# Altium PCB Version_2.PcbDoc (part 1 of 6) (continued)
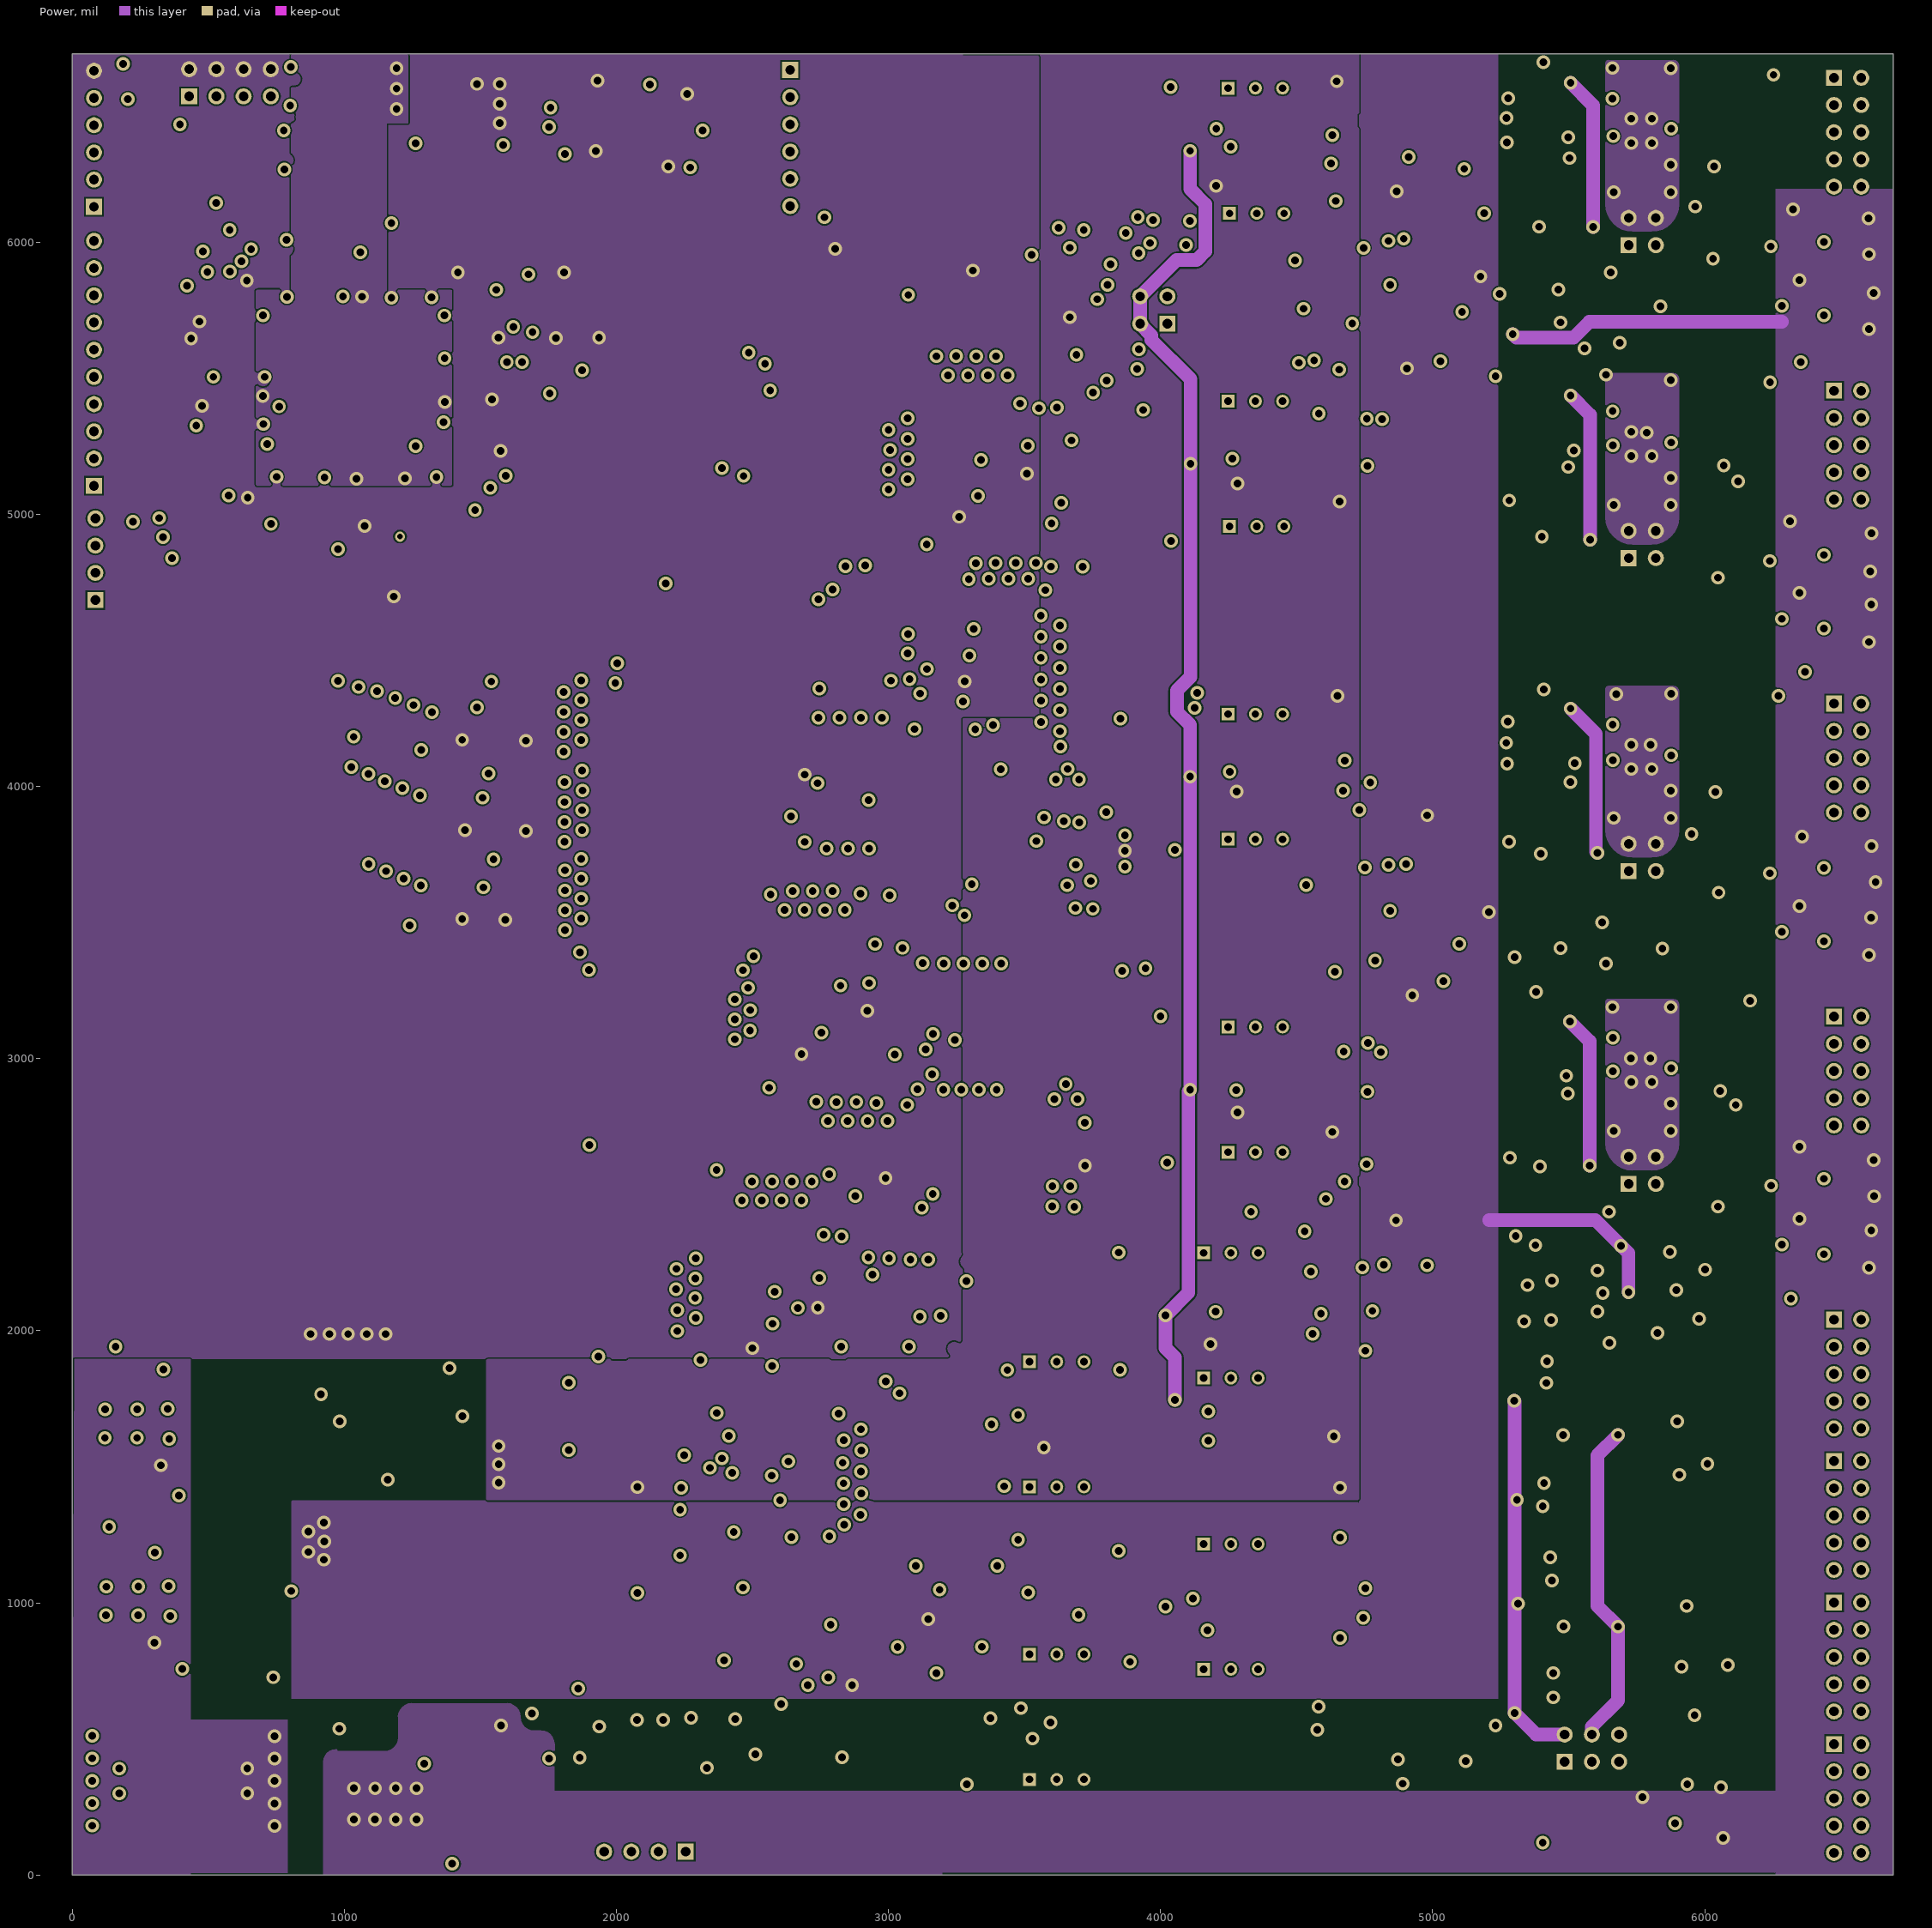
[diagram p3: Power]

## Layer stack, top to bottom
Top Solder: solder mask 0.4, Solder Resist, Dk 3.5
Component Side: signal copper 1.4
Dielectric 1: core 12.6, FR-4, Dk 4.8
Ground Plane: plane copper 1.417
Dielectric 3: prepreg 5, Dk 4.2
Power: signal copper 1.417
Dielectric 4: core 10, Dk 4.2
Solder Side: signal copper 1.4
Bottom Solder: solder mask 0.4, Solder Resist, Dk 3.5

## Board outline
0,0 6692.91,0 6692.91,6692.91 0,6692.91

## Design rules (kind name [scope] priority, off if disabled: settings)
Clearance [All] p1: gap=6
HoleSize [All] p1: absolutevalues=TRUE maxlimit=100 minlimit=9.84 maxpercent=80.000 minpercent=20.000
MinimumSolderMaskSliver [All] p1: minsoldermaskwidth=5
PlaneClearance [All] p1: clearance=20
PlaneConnect [All] p1: planeconnectstyle=Direct reliefexpansion=20 reliefentries=4 reliefconductorwidth=10 reliefairgap=10
PolygonConnect [All] p1: connectstyle=Direct reliefconductorwidth=10 reliefentries=4 polygonreliefangle="90 Angle" airgapwidth=10
RoutingPriority EN9 [InNet('EN9')] p1: routingpriority=100
RoutingPriority EN10 [InNet('EN10')] p2: routingpriority=90
RoutingPriority EN11 [InNet('EN11')] p3: routingpriority=90
RoutingPriority EN12 [InNet('EN12')] p4: routingpriority=90
RoutingPriority EN13 [All] p5: routingpriority=90
RoutingPriority RoutingPriorityAll [All] p6: routingpriority=0
RoutingVias [All] p1: holewidth=28 width=50 viastyle="Through Hole" minholewidth=9.84 minwidth=27.56 maxholewidth=39.37 maxwidth=50
SMDEntry [All] p1: side=TRUE corner=TRUE anyangle=TRUE
SilkToSilkClearance [All] p1 off: silktosilkclearance=10
SilkToSolderMaskClearance [IsPad] p1 off: minsilkscreentomaskgap=0.1 clearancetoexposedcopper=TRUE
SolderMaskExpansion [All] p1: expansion=4
Width Analog_In3 [InNetClass('Analog_In3')] p1 off: maxlimit=50 minlimit=10 preferedwidth=16 minimp=50.000000 maximp=50.000000 favimp=50.000000
Width Analog_In2 [InNetClass('Analog_In2')] p2 off: maxlimit=50 minlimit=10 preferedwidth=14 minimp=50.000000 maximp=50.000000 favimp=50.000000
Width Analog_In1 [InNetClass('Analog_In1')] p3 off: maxlimit=50 minlimit=10 preferedwidth=24 minimp=50.000000 maximp=50.000000 favimp=50.000000
Width Analog_Out [InNetClass('Analog_Out')] p4 off: maxlimit=50 minlimit=10 preferedwidth=50 minimp=50.000000 maximp=50.000000 favimp=50.000000
Width [All] p5: maxlimit=50 minlimit=6 preferedwidth=10 minimp=50.000000 maximp=50.000000 favimp=50.000000
23 further rules are at their usual default settings.

## Classes and differential pairs
net class VOUT[1..8]: VOUT1 VOUT2 VOUT3 VOUT4 VOUT5 VOUT6 VOUT7 VOUT8
net class VO[1..8]: VO1 VO2 VO3 VO4 VO5 VO6 VO7 VO8
net class VN[1..6]: VN1 VN2 VN3 VN4 VN5 VN6
net class SPI_CS[1..6]: SPI_CS1 SPI_CS2 SPI_CS3 SPI_CS4 SPI_CS5 SPI_CS6
net class PSAVE[1..3]: PSAVE1 PSAVE2 PSAVE3
net class OUTP[1..8]: OUTP1 OUTP2 OUTP3 OUTP4 OUTP5 OUTP6 OUTP7 OUTP8
net class OUTM[1..8]: OUTM1 OUTM2 OUTM3 OUTM4 OUTM5 OUTM6 OUTM7 OUTM8
net class OUT[1..8]: OUT1 OUT2 OUT3 OUT4 OUT5 OUT6 OUT7 OUT8 OUT9
net class EN_RESET[1..2]: EN_RESET1 EN_RESET2
net class EN[1..13]: EN1 EN2 EN3 EN4 EN5 EN6 EN7 EN8 EN9 EN10 EN11 EN12 EN13
component class Reset: C147 C148 C149 C150 C151 DPOT4 P23 R170 R175 R180 R367 R441 R442 R443 R444 REG24 RPOT6 TP45 U32
component class Power: C94 C95 C96 C97 C98 C99 C100 C101 C102 C103 C104 C105 C106 C107 C108 C109 C110 C111 C112 C113 C114 C115 C116 C117 C118 C119 C120 C121 C122 C123 C124 C125 C126 C127 C128 C129 C130 C131 C132 C133 C134 C135 C136 C137 CON1 LED5V LED15V LED24V LED-5V POT1 POT2 POT3 POT4 POT5 POT6 R312 R313 R314 R315 R316 R317 R318 R319 R320 R321 R322 R323 R324 R325 R326 R327 R328 R329 R330 R331 R332 R333 R334 R335 R336 R337 R338 R339 R340 R341 R342 R343 R344 R345 R346 R347 R348 REG6 REG7 REG8 REG9 REG10 REG11 REG12 REG13 REG14 REG15 REG16 REG17 REG18 REG19 REG20 REG21 REG22 TP1 TP2 TP3 TP4 TP5 TP6 TP7 TP8 TP9 TP47 TP48 TP50 TP51 TP52
component class Medidas: C138 C139 C140 C141 C142 C143 C144 C145 C146 C169 C170 R349 R350 R351 R352 R353 R354 R355 R356 R357 R358 R359 R360 R361 R362 R363 R364 R365 R366 REG23 TP11 TP13 TP15 TP17 TP19 TP21 TP23 TP25 TP27 TP28 TP29 TP30 TP31 TP32 TP33 TP34 TP35 TP36 TP37 TP38 TP39 TP41 TP42 TP43 TP44 U25 U26 U27 U28 U29 U30 U31
component class FPGA: C64 C65 C66 C67 C68 C69 C70 C71 C72 C73 C74 C75 C76 C77 C78 C79 C80 C81 C82 C83 C84 C85 C86 C87 C88 C89 C90 C91 C92 C93 LED9 LED10 LED11 LED12 LED13 LED14 LED15 LED16 LED17 LED18 LED19 LED20 LED21 LED22 LED23 LED24 LED25 LED26 LED27 LED28 LED29 LED30 LED31 OSC1 P18 P19 P20 P21 P22 R153 R154 R155 R156 R157 R158 R159 R160 R161 R162 R163 R164 R165 R166 R167 R168 R169 R171 R172 R173 R174 R176 R177 R178 R179 R181 R182 R183 R184 R185 R186 R187 R188 R189 R190 R191 R192 R193 R194 R195 R196 R197 R198 R199 R200 R201 R202 R203 R204 R205 R206 R207 R208 R209 R210 R211 R212 R213 R214 R215 R216 R217 R218 R219 R220 R221 R222 R223 R224 R225 R226 R227 R228 R229 R231 R232 R233 R234 R236 R237 R239 R241 R242 R243 R244 R246 R247 R248 R249 R251 R252 R253 R254 R255 R257 R258 R259 R260 R262 R263 R264 R266 R267 R268 R270 R271 R272 R274 R275 R276 R277 R278 R279 R280 R281 R282 R283 R284 R285 R286 R287 R288 R289 R290 R291 R292 R293 R294 R295 R296 R297 R298 R299 R300 R301 R302 R303 R304 R305 R306 R307 R308 R309 R310 R311 R368 U20 U21 U22 U23 U24
component class DAC: C38 C39 C50 C51 C52 C53 C54 C55 C56 C57 C58 C59 C60 C61 C62 C63 C153 C154 C155 C156 C157 C158 C159 C160 C161 C162 C163 C164 C165 C166 C167 C168 P17 R98 R99 R100 R101 R102 R103 R104 R105 R106 R107 R108 R109 R110 R111 R112 R113 R114 R115 R116 R117 R118 R119 R120 R121 R122 R123 R124 R125 R126 R127 R128 R129 R130 R131 R132 R133 R134 R135 R136 R137 R138 R139 R140 R141 R142 R143 R144 R145 R146 R147 R148 R149 R150 R151 R152 R238 R375 R376 R377 R378 R379 R380 R381 R382 R383 R384 R385 R386 R387 R388 R389 R390 R391 R392 R393 R394 R395 R396 R397 R398 R399 R400 R401 R402 R403 R404 R405 R406 R407 R408 R409 R410 R411 R412 R413 R414 R415 R416 R417 R418 R419 R420 R421 R422 R423 R424 R425 R426 R427 R428 R429 R430 R431 R432 R433 R434 R435 R436 R437 R438 R439 R440 U7 U8 U9 U10 U11 U12 U13 U14 U15 U16 U17 U18 U19
component class Amplificadores: C1 C2 C3 C4 C5 C6 C7 C8 C9 C10 C11 C12 C13 C14 C15 C16 C17 C18 C19 C20 C21 C22 C23 C24 C25 C26 C27 C28 C29 C30 C31 C32 C33 C34 C35 C36 C37 C40 C41 C42 C43 C44 C45 C46 C47 C48 C49 C152 D1 D2 D3 D4 D5 D6 D7 D8 DPOT1 DPOT2 DPOT3 LED1 LED2 LED3 LED4 LED5 LED6 LED7 LED8 OPT1 OPT2 OPT3 OPT4 OPT5 OPT6 OPT7 OPT8 P4 P5 P6 P7 P8 P9 P10 P11 P12 P13 P14 P15 P16 R1 R2 R3 R4 R5 R6 R7 R8 R9 R10 R11 R12 R13 R14 R15 R16 R17 R18 R19 R20 R21 R22 R23 R24 R25 R26 R27 R28 R29 R30 R31 R32 R33 R34 R35 R36 R37 R38 R39 R40 R41 R42 R43 R44 R45 R46 R47 R48 R49 R50 R51 R52 R53 R54 R55 R56 R57 R58 R59 R60 R61 R62 R63 R64 R65 R66 R67 R68 R69 R70 R71 R72 R73 R74 R75 R76 R77 R78 R79 R80 R81 R82 R83 R84 R85 R86 R87 R88 R89 R90 R91 R92 R93 R94 R95 R96 R97 R230 R235 R240 R245 R250 R256 R261 R265 R269 R369 R371 R373 REG1 REG2 REG3 REG4 REG5 RPOT1 RPOT2 RPOT3 RPOT4 RPOT5 TP18 TP20 U1 U2 U3 U4 U5 U6 U33
net class Analog_In3: A3V3 OUTM1 OUTM2 OUTM3 OUTM4 OUTM5 OUTM6 OUTM7 OUTM8 OUTP1 OUTP2 OUTP3 OUTP4 OUTP5 OUTP6 OUTP7 OUTP8 VSSIV

## Components (designator, comment, footprint, x,y, rotation, side; value= is the part's Value field where it differs from the comment)
C1 "Cap" RES_0805 4953.74,6234.25 r270 top
C2 "Cap" RES_0805 5032.48,6236.22 r270 top
C3 "Cap" RES_0805 4872.05,6087.6 r0 bottom
C4 "Cap" RES_0805 4802.17,5510.83 r0 top
C5 "Cap" RES_0805 4799.21,5582.68 r0 top
C6 "Cap" RES_0805 4788.39,5419.29 r0 bottom
C7 "Cap" RES_0805 4858.27,3875.98 r0 top
C8 "Cap" RES_0805 4858.27,3953.74 r0 top
C9 "Cap" RES_0805 4867.13,3625 r0 bottom
C10 "Cap" RES_0805 4816.93,3304.13 r0 top
C11 "Cap" RES_0805 4807.09,3214.57 r0 top
C12 "Cap" RES_0805 4785.24,3115.96 r0 bottom
C13 "Cap" RES_0805 4759.84,2451.77 r270 top
C14 "Cap" RES_0805 4684.06,2451.77 r270 top
C15 "Cap" RES_0805 4789.37,2176.18 r0 bottom
C16 "Cap" RES_0805 3790.24,5685.92 r270 top
C17 "Cap" J1-0603#1 3730.24,5673.13 r270 top
C18 "Cap" RES_0805 3800.24,3809.94 r270 top
C19 "Cap" J1-0603#1 3735.24,3797.14 r270 top
C20 "Cap" RES_0805 3790.24,2695.96 r270 top
C21 "Cap" J1-0603#1 3725.24,2675.96 r270 top
C22 "Cap" RES_1206 6112.2,6622.05 r180 top
C23 "Cap" J1-0603#1 5425.24,6584.27 r0 top
C24 "Cap" RES_1206 5763.38,5889.27 r180 top
C25 "Cap" J1-0603#1 5729.92,5819.27 r180 top
C26 "Cap" RES_1206 6155.24,5389.27 r180 top
C27 "Cap" J1-0603#1 5425.24,5434.27 r0 top
C28 "Cap" RES_1206 5763.38,4739.27 r180 top
C29 "Cap" J1-0603#1 5729.92,4669.27 r180 top
C30 "Cap" RES_1206 6155.24,4239.27 r180 top
C31 "Cap" J1-0603#1 5425.24,4284.27 r0 top
C32 "Cap" RES_1206 5763.38,3589.27 r180 top
C33 "Cap" J1-0603#1 5729.92,3519.27 r180 top
C34 "Cap" RES_1206 6155.24,3089.27 r180 top
C35 "Cap" J1-0603#1 5420.28,3134.84 r0 top
C36 "Cap" RES_1206 5763.38,2439.27 r180 top
C37 "Cap" J1-0603#1 5729.92,2369.27 r180 top
C38 "Cap" J1-0603#1 4203.55,6281.28 r90 top
C39 "Cap" J1-0603#1 4205.24,5131.28 r90 top
C40 "Cap" RES_0805 5880.24,455.96 r90 top
C41 "Cap" J1-0603#1 5945.24,430.96 r90 top
C42 "Cap" RES_0805 5876.58,1565.89 r270 top
C43 "Cap" J1-0603#1 5936.58,1561.95 r270 top
C44 "Cap" RES_0805 5345.24,246.87 r90 top
C45 "Cap" J1-0603#1 5415.24,259.66 r90 top
C46 "Cap" RES_0805 5875.24,860.96 r270 top
C47 "Cap" J1-0603#1 5935.24,860.96 r270 top
C48 "Cap" RES_0805 5206.14,200.96 r0 top
C49 "Cap" J1-0603#1 5218.94,140.96 r0 top
C50 "Cap" RES_0805 4038.39,5954.72 r90 top
C51 "Cap Semi" J1-0603#1 3170.24,4950.96 r180 top
C52 "Cap Semi" J1-0603#1 3424.69,5243.91 r180 bottom
C53 "Cap Semi" J1-0603#1 3424.69,5193.91 r180 bottom
C54 "Cap Semi" J1-0603#1 2590.55,3020.67 r180 top
C55 "Cap Semi" J1-0603#1 2839.57,3198.01 r180 bottom
C56 "Cap Semi" J1-0603#1 2839.57,3248.01 r180 bottom
C57 "Cap Semi" J1-0603#1 3571.85,5195.87 r270 bottom
C58 "Cap Semi" J1-0603#1 2990.24,3215.96 r270 bottom
C59 "Cap Semi" J1-0603#1 2819.88,2145.67 r270 bottom
C60 "Cap Semi" J1-0603#1 3070.24,5895.96 r90 top
C61 "Cap Semi" J1-0603#1 2400.24,1890.96 r180 top
C62 "Cap Semi" J1-0603#1 2724.45,1925.96 r180 bottom
C63 "Cap Semi" J1-0603#1 2724.45,1875.96 r180 bottom
C64 "Cap" J1-0603#1 1487.2,4232.28 r0 bottom
C65 "Cap" J1-0603#1 1486.22,3899.61 r0 bottom
C66 "Cap" J1-0603#1 1486.22,3570.87 r0 bottom
C67 "Cap" J1-0603#1 789.37,5884.84 r90 bottom
C68 "Cap" J1-0603#1 1377.95,5820.87 r270 bottom
C69 "Cap" J1-0603#1 1238.19,5768.7 r270 bottom
C70 "Cap" J1-0603#1 1107.28,6019.68 r90 bottom
C71 "Cap" J1-0603#1 556.1,5347.44 r270 bottom
C72 "Cap" J1-0603#1 1389.05,5053.15 r270 bottom
C73 "Cap" J1-0603#1 1682.09,5338.58 r0 bottom
C74 "Cap" J1-0603#1 1340.55,5053.15 r270 bottom
C75 "Cap" J1-0603#1 1682.09,5390.75 r0 bottom
C76 "Cap" J1-0603#1 1138.78,4981.3 r0 bottom
C77 "Cap" J1-0603#1 1125,4862.2 r0 bottom
C78 "Cap" J1-0603#1 619.96,5553.58 r180 bottom
C79 "Cap" J1-0603#1 619.96,5494.53 r180 bottom
C80 "Cap" J1-0603#1 803.15,5303.15 r270 bottom
C81 "Cap Semi" J1-0603#1 1840.2,6389.04 r0 top
C82 "Cap" J1-0603#1 1265.75,5154.53 r90 bottom
C83 "Cap" J1-0603#1 996.06,5154.53 r90 bottom
C84 "Cap" J1-0603#1 1114.17,5771.65 r270 bottom
C85 "Cap" J1-0603#1 1347.44,5460.63 r180 bottom
C86 "Cap" J1-0603#1 1682.09,5286.42 r0 bottom
C87 "Cap" J1-0603#1 1493.11,5628.94 r180 bottom
C88 "Cap" J1-0603#1 1492.13,5695.87 r180 bottom
C89 "Cap" J1-0603#1 1125,4912.4 r0 bottom
C90 "Cap" J1-0603#1 1286.42,5051.18 r270 bottom
C91 "Cap" J1-0603#1 751.97,5047.24 r270 bottom
C92 "Cap" J1-0603#1 1078.45,4709.93 r135 bottom
C93 "Cap" J1-0603#1 950.79,4927.17 r45 top
C94 "Cap" RES_1206 541.34,782.48 r0 top
C95 "Cap" RES_1206 541.34,1394.68 r0 top
C96 "Cap" RES_1206 1262.64,85.96 r0 bottom
C97 "Cap" J1-0603#1 653.54,1028.54 r90 top
C98 "Cap" J1-0603#1 652.56,1680.12 r90 top
C99 "Cap" J1-0603#1 1587.64,305.96 r180 top
C100 "Cap" J1-0603#1 654.53,1129.92 r270 top
C101 "Cap" J1-0603#1 651.57,1780.51 r270 top
C102 "Cap" J1-0603#1 1612.64,430.96 r270 top
C103 "Cap" RES_1206 544.29,1266.73 r180 top
C104 "Cap" J1-0603#1 497.05,1897.64 r180 top
C105 "Cap" J1-0603#1 1459.77,521.95 r90 top
C106 "Cap" J1-0603#1 1509.77,521.95 r90 top
C107 "Cap" RES_0805 987.36,1560.61 r90 top
C108 "Cap" RES_0805 1357.36,1616.32 r90 top
C109 "Cap" RES_0805 1356.38,1766.91 r90 top
C110 "Cap" RES_0805 986.38,1816.91 r270 top
C111 "Cap" J1-0603#1 1491.14,6357.28 r0 top
C112 "Cap" J1-0603#1 1190.94,6398.62 r270 top
C113 "Cap" J1-0603#1 4950.24,365.96 r90 top
C114 "Cap" RES_0805 5205.24,275.96 r180 top
C115 "Cap" J1-0603#1 5030.24,555.96 r0 top
C116 "Cap" RES_0805 6498.55,5865.96 r0 top
C117 "Cap" RES_0805 6498.55,2415.96 r0 top
C118 "Cap" RES_0805 6498.55,3565.96 r0 top
C119 "Cap" RES_0805 6498.55,4715.96 r0 top
C120 "Cap" RES_0805 5980.24,60.96 r0 top
C121 "Cap" RES_0805 4615.24,5625.96 r0 top
C122 "Cap" J1-0603#1 6148.55,5975.96 r0 bottom
C123 "Cap" J1-0603#1 6148.55,4825.96 r0 bottom
C124 "Cap" J1-0603#1 6148.55,3675.96 r0 bottom
C125 "Cap" J1-0603#1 6148.55,2525.96 r0 bottom
C126 "Cap" J1-0603#1 5821.85,333.66 r180 top
C127 "Cap" J1-0603#1 4460.24,5870.96 r180 top
C128 "Cap" RES_0805 6496.62,5595.96 r0 top
C129 "Cap" RES_0805 6496.62,4445.96 r0 top
C130 "Cap" RES_0805 6496.62,3295.96 r0 top
C131 "Cap" RES_0805 6496.62,2145.96 r0 top
C132 "Cap" RES_0805 5800.24,60.96 r0 top
C133 "Cap" RES_0805 4422.24,5618.11 r180 top
C134 "Cap" RES_0805 5950.79,5879.92 r90 top
C135 "Cap" RES_0805 6048.55,4615.96 r90 top
C136 "Cap" RES_0805 6048.55,3465.96 r90 top
C137 "Cap" RES_0805 6048.55,2315.96 r90 top
C138 "Cap" J1-0603#1 2352.36,1610.24 r90 bottom
C139 "Cap" J1-0603#2 3140.24,4505.96 r270 top
C140 "Cap" J1-0603#1 2430.24,1174.98 r90 top
C141 "Cap" J1-0603#1 2610.24,1174.98 r90 top
C142 "Cap" J1-0603#1 5525.24,3500.96 r180 top
C143 "Cap" J1-0603#1 5780.51,2313.98 r0 top
C144 "Cap" J1-0603#1 5787.4,2121.06 r0 top
C145 "Cap" J1-0603#1 3183.07,841.54 r270 top
C146 "Cap" J1-0603#1 5545.24,5800.96 r180 top
C147 "Cap" J1-0603#1 2798.23,650.59 r270 top
C148 "Cap Semi" J1-0603#1 2798.23,550.2 r270 top
C149 "Cap Semi" RES_0805 2512.8,531.5 r270 top
C150 "Cap Semi" J1-0603#1 2575.79,539.37 r270 top
C151 "Cap" J1-0603#1 2339.57,283.46 r90 top
C152 "Cap Semi" J1-0603#1 2662.4,3978.35 r90 top
C153 "Cap" J1-0603#1 4205.24,2830.96 r90 top
C154 "Cap" J1-0603#1 4205.24,3985.96 r90 top
C155 "Cap" J1-0603#1 3470.24,1600.96 r90 top
C156 "Cap" J1-0603#1 4110.24,2000.96 r90 top
C157 "Cap" J1-0603#1 4115.24,930.96 r90 top
C158 "Cap" J1-0603#1 3470.24,530.96 r90 top
C159 "Cap Semi" J1-0603#1 3424.69,5093.91 r180 bottom
C160 "Cap Semi" J1-0603#1 3424.69,5143.91 r180 bottom
C161 "Cap Semi" J1-0603#1 3170.28,5005.91 r180 top
C162 "Cap Semi" J1-0603#1 2591.54,2970.47 r180 top
C163 "Cap Semi" J1-0603#1 2839.57,3098.01 r180 bottom
C164 "Cap Semi" J1-0603#1 2839.57,3148.01 r180 bottom
C165 "Cap Semi" J1-0603#1 2400.24,1940.96 r180 top
C166 "Cap Semi" J1-0603#1 2724.45,1975.96 r180 bottom
C167 "Cap Semi" J1-0603#1 2724.45,2025.96 r180 bottom
C168 "Cap" J1-0603#1 3441.93,5927.17 r90 top
C169 "Cap" J1-0603#1 2500.98,1482.28 r180 bottom
C170 "Cap" J1-0603#1 3221.46,4438.98 r90 bottom
CON1 "Barrel_2.1mmx5.5mm" Barrel_2.1mmx5.5mm 408.23,345.65 r180 top
D1 "SMS3922_SOT143" SMS3922_SOT143 5590.24,6409.27 r270 bottom
D2 "SMS3922_SOT143" SMS3922_SOT143 5590.24,5259.27 r270 bottom
D3 "SMS3922_SOT143" SMS3922_SOT143 5590.24,4109.27 r270 bottom
D4 "SMS3922_SOT143" SMS3922_SOT143 5590.24,2959.27 r270 bottom
D5 "ZM4732A" ZM4732A 5493.55,5955.96 r180 top
D6 "ZM4732A" ZM4732A 5493.55,4805.96 r180 top
D7 "ZM4732A" ZM4732A 5493.55,3655.96 r180 top
D8 "ZM4732A" ZM4732A 5493.55,2505.96 r180 top
DPOT1 "AD5162_SOP10" AD5162_SOP10 3635.24,5745.96 r90 top
DPOT2 "AD5162_SOP10" AD5162_SOP10 3637.01,3869.98 r90 top
DPOT3 "AD5162_SOP10" AD5162_SOP10 3632.01,2694.98 r90 top
DPOT4 "AD5162_SOP10" AD5162_SOP10 2394.53,588.27 r90 top
LED1 "LED" LED 5329.72,3125.98 r90 top
LED2 "LED" LED 5340.24,4274.27 r90 top
LED3 "LED" LED 5340.24,5424.27 r90 top
LED4 "LED" LED 5340.24,6574.27 r90 top
LED5 "LED" LED 5340.24,2744.27 r0 top
LED5V "LEDR" LED 306.1,1936.02 r180 top
LED6 "LED" LED 5340.24,3894.27 r0 top
LED7 "LED" LED 5340.24,5044.27 r0 top
LED8 "LED" LED 5340.24,6194.27 r0 top
LED9 "LED" LED 3158.46,3879.92 r0 top
LED10 "LED" LED 3296.26,3829.72 r0 top
LED11 "LED" LED 3158.46,3782.48 r0 top
LED12 "LED" LED 3292.32,3730.32 r0 top
LED13 "LED" LED 3155.51,4128.94 r0 top
LED14 "LED" LED 3290.35,4077.76 r0 top
LED15 "LED" LED 3155.51,4027.56 r0 top
LED15V "LEDR" LED 277.56,1280.51 r180 top
LED16 "LED" LED 3294.29,3965.55 r0 top
LED17 "LED" LED 4740.24,6320.96 r270 top
LED18 "LED" LED 4945.24,5680.96 r270 top
LED19 "LED" LED 4625.24,3585.96 r90 top
LED20 "LED" LED 4945.87,3401.57 r270 top
LED21 "LED" LED 4470.59,2427.27 r90 top
LED22 "LED" LED 2792.32,830.71 r270 top
LED23 "LED" LED 1751.97,570.87 r90 top
LED24 "LED" LED 3575.79,5452.76 r0 top
LED24V "LEDR" LED 738.23,595.96 r90 top
LED25 "LEDB" LED 259.77,6630.96 r0 top
LED26 "LED" LED 3002.17,3465.96 r0 top
LED27 "LEDB" LED 259.77,6485.96 r0 top
LED28 "LED" LED 2821.85,2405.51 r0 top
LED29 "LEDB" LED 928.31,6500.96 r180 top
LED30 "LEDB" LED 928.31,6645.96 r180 top
LED31 "LEDB" LED 1455.71,5903.54 r0 top
LED-5V "LEDR" LED 1117.64,595.96 r270 top
OPT1 "4N38M_SMD6" 4N38M_SMD6 5020.95,4930.96 r0 top
OPT2 "4N38M_SMD6" 4N38M_SMD6 5020.95,6489.27 r0 top
OPT3 "4N38M_SMD6" 4N38M_SMD6 5020.95,2630.96 r0 top
OPT4 "4N38M_SMD6" 4N38M_SMD6 5020.95,4189.27 r0 top
OPT5 "4N38M_SMD6" 4N38M_SMD6 5050.24,1885.96 r0 top
OPT6 "4N38M_SMD6" 4N38M_SMD6 5050.24,1512.63 r0 top
OPT7 "4N38M_SMD6" 4N38M_SMD6 5050.24,1139.3 r0 top
OPT8 "4N38M_SMD6" 4N38M_SMD6 5050.24,765.96 r0 top
OSC1 "100MHz oscillator" "100MHz oscillator" 1047.94,4698.12 r135 top
P4 "Header 3X2" HDR2X3 5485.24,415.96 r0 top
P5 "Header 2X2" HDR2X2 5720.33,5989.27 r0 top
P6 "Header 2X2" HDR2X2 5720.33,4839.27 r0 top
P7 "Header 2X2" HDR2X2 5720.33,3689.27 r0 top
P8 "Header 2X2" HDR2X2 5720.33,2539.27 r0 top
P9 "Header 5X2" HDR2X5 6475.24,6604.27 r270 top
P10 "Header 5X2" HDR2X5 6475.24,5454.27 r270 top
P11 "Header 5X2" HDR2X5 6475.24,4304.27 r270 top
P12 "Header 5X2" HDR2X5 6475.24,3154.27 r270 top
P13 "Header 5X2" HDR2X5 6475.24,2040.96 r270 top
P14 "Header 5X2" HDR2X5 6475.24,1520.96 r270 top
P15 "Header 5X2" HDR2X5 6475.24,1000.96 r270 top
P16 "Header 5X2" HDR2X5 6475.24,480.96 r270 top
P17 "Header 2X2" HDR2X2 4025.24,5700.96 r90 top
P18 "RESET" HDR1X4 85,4685 r90 top
P19 "CONFIG" HDR2X4 429.77,6535.96 r0 top
P20 "DEBUG" HDR1X10 80,5105 r90 top
P21 "JTAG Port" HDR1X6 80,6130 r90 top
P22 "uC Interface" HDR1X6 2638.78,6632.87 r270 top
P23 "RESET_OUT" HDR1X4 2254.92,85.63 r180 top
POT1 "POT_ST5ETW203" POT_ST5ETW 5585.24,177.1 r180 top
POT2 "POT_ST5ETW203" POT_ST5ETW 4220.24,5740.96 r180 top
POT3 "POT_ST5ETW503" POT_ST5ETW 6143.55,5970.96 r180 top
POT4 "POT_ST5ETW503" POT_ST5ETW 6143.55,4820.96 r180 top
POT5 "POT_ST5ETW503" POT_ST5ETW 6143.55,3670.96 r180 top
POT6 "POT_ST5ETW503" POT_ST5ETW 6143.55,2520.96 r180 top
R1 "Res3" J1-0603#1 5485.24,3079.27 r180 top
R2 "Res3" J1-0603#1 5485.24,4229.27 r180 top
R3 "Res3" J1-0603#1 5485.24,5379.27 r180 top
R4 "Res3" J1-0603#1 5485.24,6529.27 r180 top
R5 "Res3" J1-0603#1 5412.4,2834.65 r180 top
R6 "Res3" J1-0603#1 5420.24,3984.27 r180 top
R7 "Res3" J1-0603#1 5420.24,5134.27 r180 top
R8 "Res3" J1-0603#1 5420.24,6284.27 r180 top
R9 "Res3" J1-0603#1 5323.55,6060.96 r270 top
R10 "Res3" J1-0603#1 5240.24,5400.96 r270 top
R11 "Res3" J1-0603#1 5330.71,3755.91 r270 top
R12 "Res3" J1-0603#1 5240.24,3095.96 r270 top
R13 "Res3" J1-0603#1 5245.24,2295.96 r270 top
R14 "Res3" RES_1206 5591.58,1877.43 r180 top
R15 "Res3" RES_1206 5591.58,1787.43 r180 top
R16 "Res3" RES_1206 5796.58,1707.43 r90 top
R17 "Res3" RES_0805 5716.58,1889.79 r270 top
R18 "Res3" RES_1206 5841.58,1912.43 r0 top
R19 "Res3" RES_0805 5821.58,1832.43 r0 top
R20 "Res3" RES_1206 5591.58,1167.43 r180 top
R21 "Res3" RES_1206 5591.58,1082.43 r180 top
R22 "Res3" RES_1206 5796.58,1002.43 r90 top
R23 "Res3" RES_0805 5716.58,1177.43 r270 top
R24 "Res3" RES_1206 5841.58,1207.43 r0 top
R25 "Res3" RES_0805 5821.58,1127.43 r0 top
R26 "Res3" RES_1206 5576.58,1447.43 r180 top
R27 "Res3" RES_1206 5576.58,1362.43 r180 top
R28 "Res3" RES_1206 5796.58,1532.43 r270 top
R29 "Res3" RES_0805 5716.58,1350.06 r90 top
R30 "Res3" RES_1206 5839.89,1327.43 r0 top
R31 "Res3" RES_0805 5819.22,1407.43 r0 top
R32 "Res3" RES_1206 5576.58,742.43 r180 top
R33 "Res3" RES_1206 5576.58,657.43 r180 top
R34 "Res3" RES_1206 5796.58,827.43 r270 top
R35 "Res3" RES_0805 5716.58,647.43 r90 top
R36 "Res3" RES_1206 5841.58,622.43 r0 top
R37 "Res3" RES_0805 5821.58,702.43 r0 top
R38 "Res3" RES_1206 5390.24,6456.73 r180 top
R39 "Res3" RES_1206 5390.24,6366.8 r180 top
R40 "Res3" RES_1206 5769.68,6519.68 r0 bottom
R41 "Res3" J1-0603#1 5685.24,6299.27 r180 bottom
R42 "Res3" RES_1206 5770.24,6234.27 r0 bottom
R43 "Res3" J1-0603#1 6055.12,6445.87 r0 top
R44 "Res3" RES_1206 5390.24,5306.73 r180 top
R45 "Res3" RES_1206 5390.24,5216.81 r180 top
R46 "Res3" RES_1206 5769.68,5378.94 r0 bottom